# Altium PCB Copy of BGA_ACUity.PcbDoc (part 3 of 5) (continued)
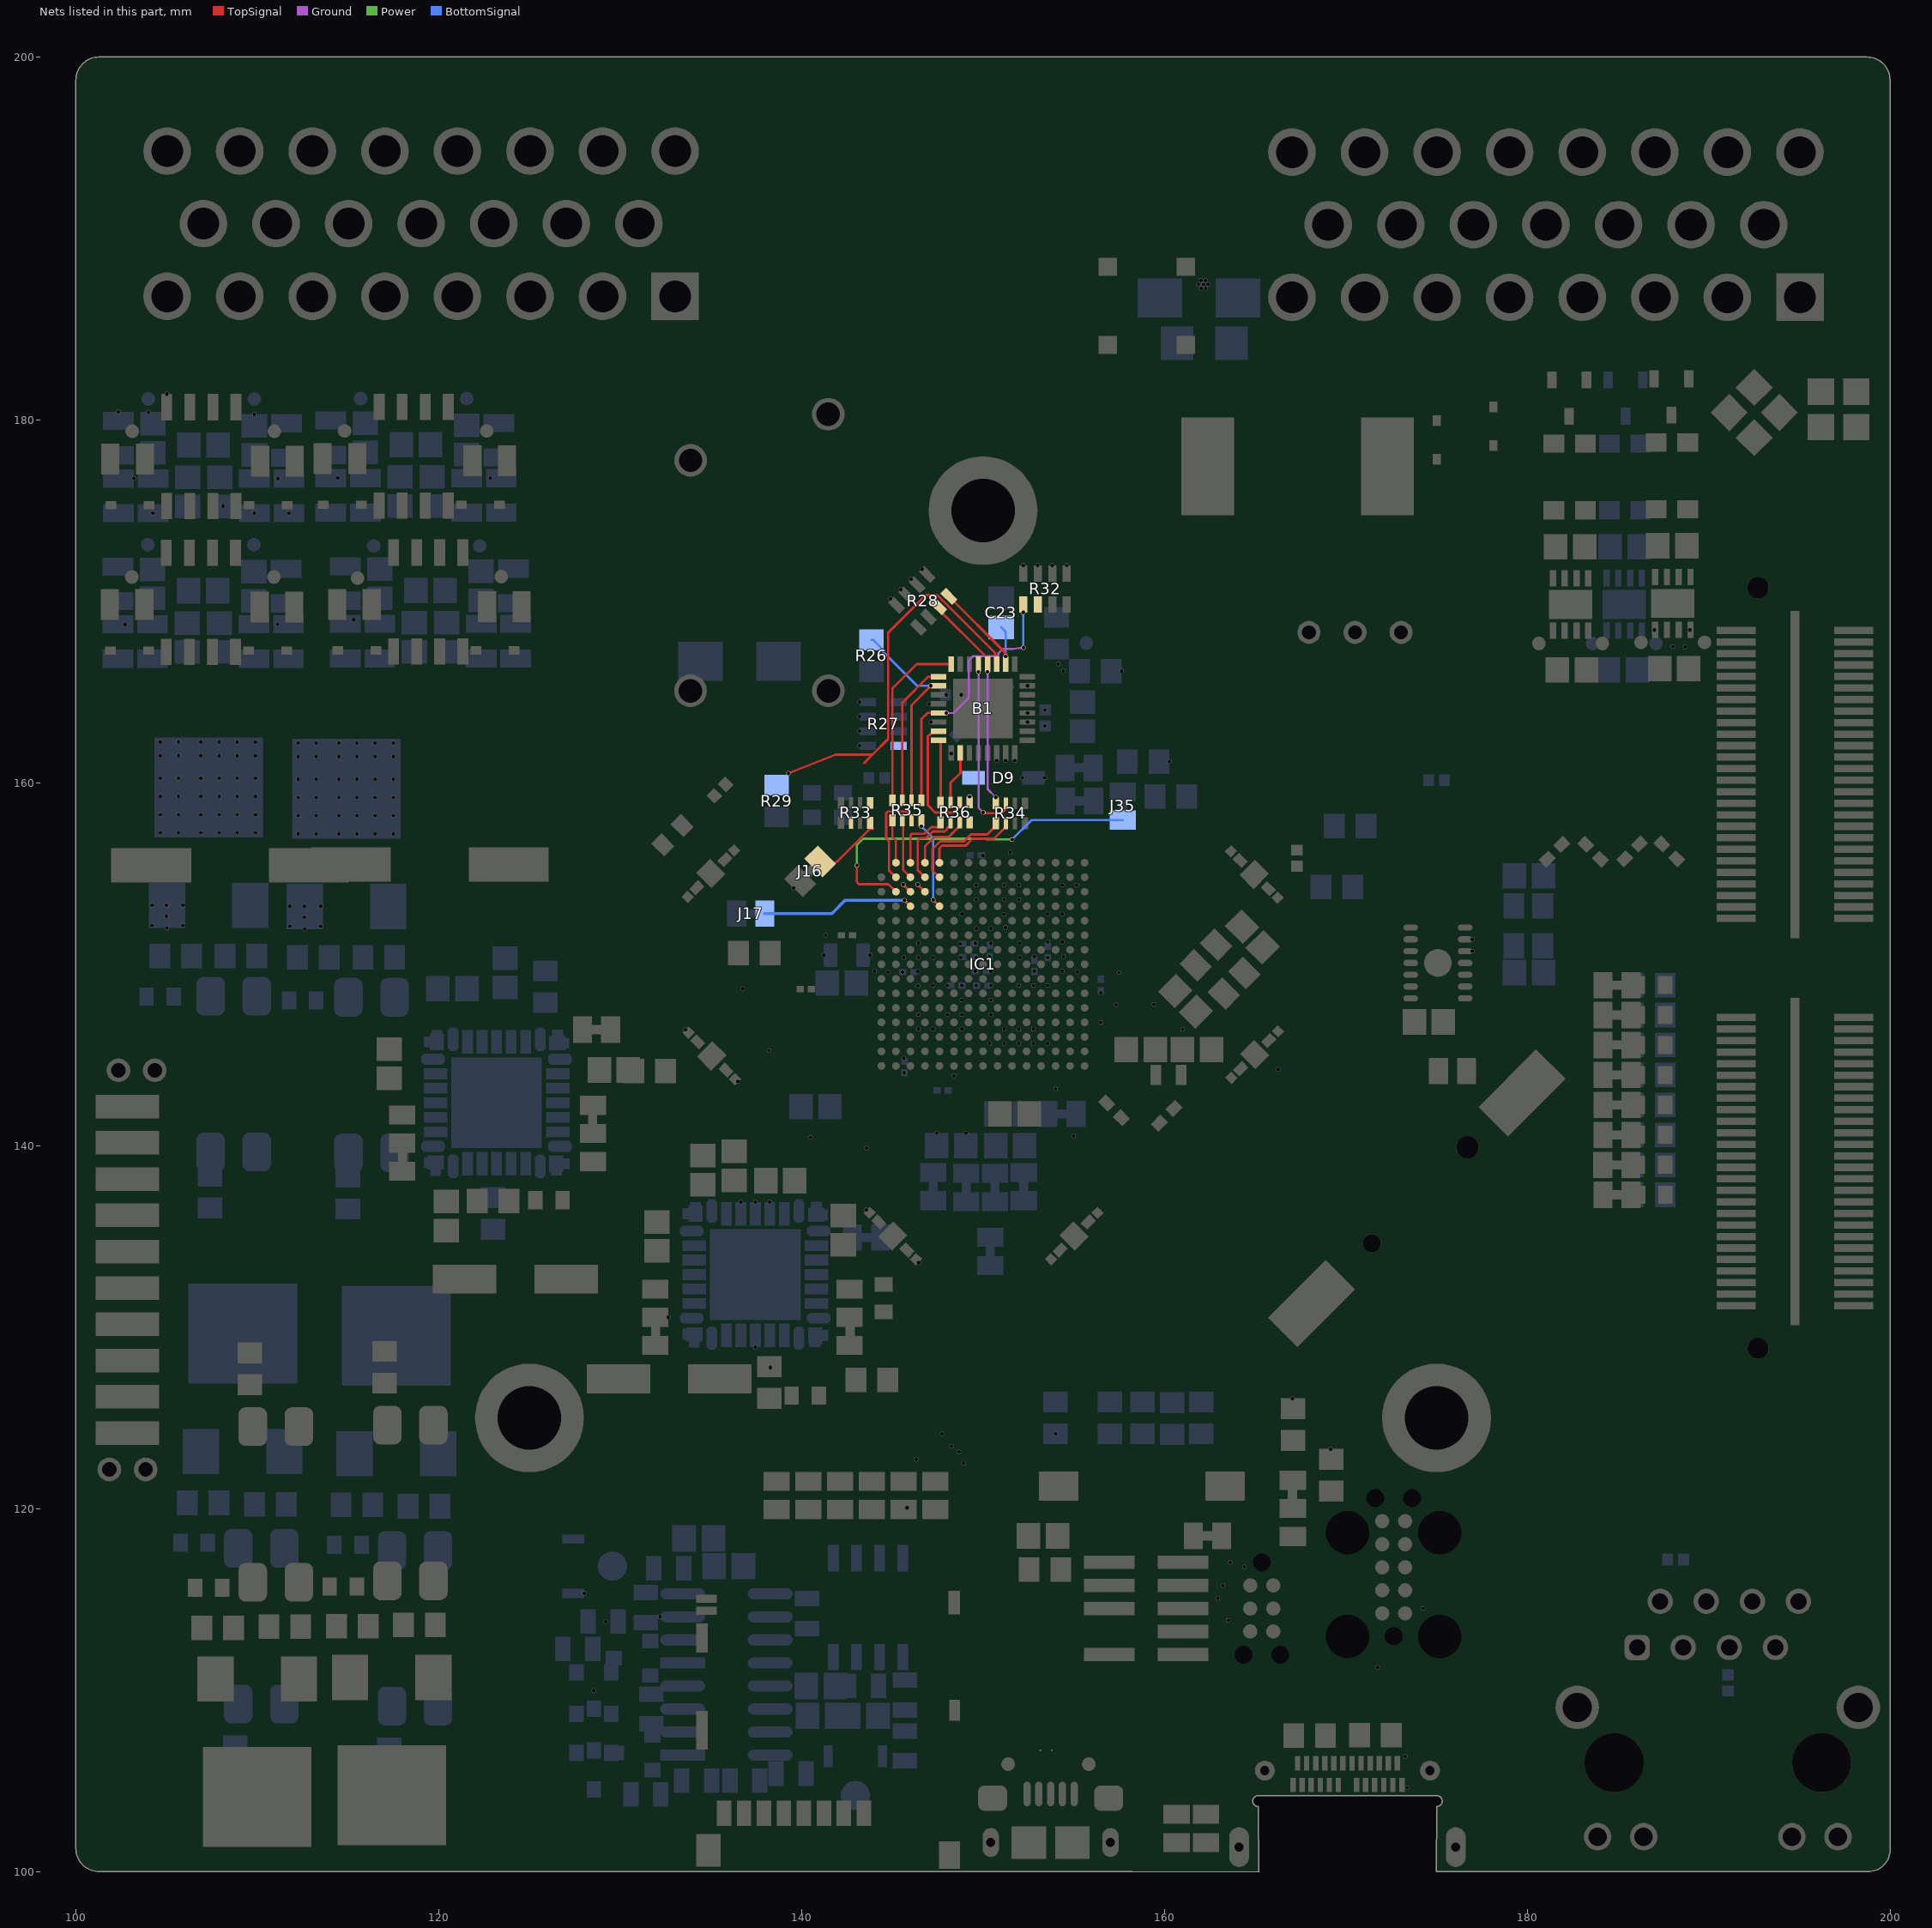
[diagram p5: the nets of this part, all layers, seen from the top]
## Part data (continued)
C40 C43 C44 C45 C46 C47: library part GMC02X5R224K16NT, "CAP0201 X5R .22UF 10% 16V", Device Package="0201 (0603 Metric)", Manufacturer="Cal-Chip Electronics, Inc.", Operating Temperature="-55°C ~ 85°C", Supplier Part Number 1=4713-GMC02X5R224K16NTCT-ND, Temperature Coefficient=X5R, Tolerance=±10%, Voltage - Rated=16V, Applications="General Purpose", Capacitance="0.22 µF", ComponentLink1Description=Datasheet, ComponentLink1URL=https://calchip.com/wp-content/uploads/2024/02/gmc_series-1.pdf, ComponentLink2Description="DigiKey Link", ComponentLink2URL=https://www.digikey.com/en/products/detail/cal-chip-electronics-inc/GMC02X5R224K16NT/22562848, LastUpdated="04/06/2024 19:00:50", Lifecycle Status=Active, Minimum Order=1, Mounting Type="Surface Mount, MLCC", Package / Case="0201 (0603 Metric)", Packaging=TapeAndReel, Part Number=GMC02X5R224K16NT, PartId=57532, Price=0.01, Series=GMC, Size / Dimension="0.024\" L x 0.012\" W (0.60mm x 0.30mm)", Supplier 1=DigiKey, Thickness (Max)="0.013\" (0.33mm)"
C41: library part CMP-001-00081-4, "Chip Capacitor, 22µF +/-40%, 16V, 0805, Thickness 1.45 mm", Case/Package=0805, Max Operating Temperature=85°C, Min Operating Temperature=-55°C, Tolerance=5%, Voltage Rating=16V, Mounting Technology=SMT, Pins=2
C42: library part CMP-001-00082-4, "Chip Capacitor, 47µF +/-40%, 6.3V, 0805, Thickness 1.45 mm", Case/Package=0805, Max Operating Temperature=85°C, Min Operating Temperature=-55°C, Tolerance=10%, Voltage Rating=6.3V, Mounting Technology=SMT, Pins=2
C48: library part 865060440001, "WCAP-ASLL Aluminum Electrolytic Capacitor, V-Chip, D4 x H5.5mm, 10µF, 25V", Capacitance Tolerance=+/-20%, Leakage Current=3uA, Manufacturer="Wurth Elektronik", Operating Temperature Max=105°C, Operating Temperature Min=-55°C, Rated Voltage (DC)=25V, Ripple Current=90mA, Capacitance=10uF, Category="Aluminum Electrolytic Capacitors", ComponentLink1Description="Website Link", ComponentLink1URL=https://www.we-online.com/redexpert/article/865060440001?ad, ComponentLink2Description="Datasheet Link", ComponentLink2URL=https://www.we-online.com/redexpert/spec/865060440001?ad, Diameter=4mm, Dissipation Factor=14%, Endurance=2000h, Height=5.5mm, Manufacturer Part Number=865060440001, Match Code=WCAP-ASLL, Mount="Surface Mount", Packaging="Tape and Reel", Technical Reference=ASEB055100M025DVCTAB000
C49 C50 C51 C52 C53 C54 C55 C56 C58: library part EMK063BJ104KP-F, "CAP CER 0.1UF 16V X5R 0201", Device Package="0201 (0603 Metric)", Manufacturer="Taiyo Yuden", Operating Temperature="-55°C ~ 85°C", Supplier Part Number 1=587-5833-1-ND, Temperature Coefficient=X5R, Tolerance=±10%, Voltage - Rated=16V, Applications="SMPS Filtering", Capacitance="0.1 µF", ComponentLink1Description=Datasheet, ComponentLink1URL="https://ds.yuden.co.jp/TYCOMPAS/ut/detail?pn=EMK063BJ104KP-F  &u=M", ComponentLink2Description="DigiKey Link", ComponentLink2URL=https://www.digikey.com/en/products/detail/taiyo-yuden/EMK063BJ104KP-F/4970625, LastUpdated="04/06/2024 19:01:11", Lifecycle Status=Active, Minimum Order=1, Mounting Type="Surface Mount, MLCC", Package / Case="0201 (0603 Metric)", Packaging=TapeAndReel, Part Number=EMK063BJ104KP-F, Part Status=Active, PartId=12, Price=0.01, Series=M, Size / Dimension="0.024\" L x 0.012\" W (0.60mm x 0.30mm)", Supplier 1=DigiKey, Thickness (Max)="0.013\" (0.33mm)"
C60 C61 C62: library part 02016C104KAT2A, "0201 6.3V X7R 100NF 10%", Device Package="0201 (0603 Metric)", Manufacturer="KYOCERA AVX", Operating Temperature="-55°C ~ 125°C", Supplier Part Number 1=478-02016C104KAT2ACT-ND, Temperature Coefficient=X7R, Tolerance=±10%, Voltage - Rated=6.3V, Applications="General Purpose", Capacitance="0.1 µF", ComponentLink1Description=Datasheet, ComponentLink1URL=https://datasheets.kyocera-avx.com/X7RDielectric.pdf, ComponentLink2Description="DigiKey Link", ComponentLink2URL=https://www.digikey.com/en/products/detail/kyocera-avx/02016C104KAT2A/17868582, LastUpdated="04/06/2024 19:00:59", Lifecycle Status=Active, Minimum Order=1, Mounting Type="Surface Mount, MLCC", Package / Case="0201 (0603 Metric)", Packaging=TapeAndReel, Part Number=02016C104KAT2A, Part Status=Active, PartId=47559, Price=0.06, Series=-, Size / Dimension="0.024\" L x 0.012\" W (0.60mm x 0.30mm)", Supplier 1=DigiKey, Thickness (Max)="0.013\" (0.33mm)"
C67 C69 C75 C76 C77: library part CMP-2007-04119-2, "General Purpose Ceramic Capacitor, 0805, 100pF, 1%, C0G, 30ppm/°C, 100V", Capacitance=100pF, Case Code (Imperial)=0805, Case Code (Metric)=2012, Dielectric=C0G, Dielectric Material=Ceramic, Max Operating Temperature=125°C, Min Operating Temperature=-55°C, Package Quantity=1, Tolerance=1%, Voltage=100V, Case/Package=0805, Construction=Flat, Depth=1.25mm, Height=0.71mm, Lead Free="Lead Free", Length=2.01mm, Mount="Surface Mount", Number of Pins=2, Packaging="Tape and Reel", Radiation Hardening=No, REACH SVHC="No SVHC", RoHS Compliant=Yes, Series=-, Termination=SMD/SMT, Thickness=0.037inch, Voltage Rating=100V, Voltage Rating (DC)=100V, Width=1.25mm
C74 C89: library part 865060645008, "WCAP-ASLL Aluminum Electrolytic Capacitor, V-Chip, D6.3 x H7.7mm, 47µF, 50V", Capacitance Tolerance=+/-20%, Leakage Current=23.5uA, Manufacturer="Wurth Elektronik", Operating Temperature Max=105°C, Operating Temperature Min=-55°C, Rated Voltage (DC)=50V, Ripple Current=185mA, Capacitance=47uF, Category="Aluminum Electrolytic Capacitors", ComponentLink1Description="Website Link", ComponentLink1URL=https://www.we-online.com/redexpert/article/865060645008?ad, ComponentLink2Description="Datasheet Link", ComponentLink2URL=https://www.we-online.com/redexpert/spec/865060645008?ad, Diameter=6.3mm, Dissipation Factor=12%, Endurance=2000h, Height=7.7mm, Manufacturer Part Number=865060645008, Match Code=WCAP-ASLL, Mount="Surface Mount", Packaging="Tape and Reel", Technical Reference=ASED077470M050DVCTCB000
C87 C90: library part 865060657012, "WCAP-ASLL Aluminum Electrolytic Capacitor, V-Chip, D10 x H10.5mm, 220µF, 50V", Capacitance Tolerance=+/-20%, Leakage Current=110uA, Manufacturer="Wurth Elektronik", Operating Temperature Max=105°C, Operating Temperature Min=-55°C, Rated Voltage (DC)=50V, Ripple Current=600mA, Capacitance=220uF, Category="Aluminum Electrolytic Capacitors", ComponentLink1Description="Website Link", ComponentLink1URL=https://www.we-online.com/redexpert/article/865060657012?ad, ComponentLink2Description="Datasheet Link", ComponentLink2URL=https://www.we-online.com/redexpert/spec/865060657012?ad, Diameter=10mm, Dissipation Factor=12%, Endurance=5000h, Height=10.5mm, Manufacturer Part Number=865060657012, Match Code=WCAP-ASLL, Mount="Surface Mount", Packaging="Tape and Reel", Technical Reference=ASEF105221M050DVCTEE000
D1 D2 D3 D4 D5 D6 D7 D8 D14 D17 D24 U_Mosfets0_D16 U_Mosfets1_D16 U_Mosfets2_D16 U_Mosfets3_D16 U_Mosfets4_D16 U_Mosfets5_D16: library part LED_0603_RED, "Yellow Plox"
D9: "Diodes - General Purpose, Power, Switching 100 Volt 150mA 4ns 500mA IFSM", Manufacturer_Name=Vishay, Mouser Part Number=78-1N4148W-G3-08, Arrow Part Number=1N4148W-G3-08, Arrow Price/Stock=https://www.arrow.com/en/products/1n4148w-g3-08/vishay, Datasheet Link=https://componentsearchengine.com/Datasheets/1/1N4148W-G3-08.pdf, Geometry.Height=1.35mm, Manufacturer_Part_Number=1N4148W-G3-08, Mouser Price/Stock=https://www.mouser.co.uk/ProductDetail/Vishay-Semiconductors/1N4148W-G3-08?qs=uS%252BVSIFnvp46StDBB15x4Q%3D%3D
D10 D15: "DIODE ZENER 36V 3W DO214AA", Current - Reverse Leakage @ Vr="1 µA @ 27.4 V", Manufacturer="Micro Commercial Co", Operating Temperature="-55°C ~ 150°C", Package / Case="DO-214AA, SMB", Power - Max="3 W", Supplier Device Package="DO-214AA (SMB)", Supplier Part Number 1=3SMBJ5938BTPMSCT-ND, Tolerance=±5%, Voltage - Forward (Vf) (Max) @ If="1.5 V @ 200 mA", Voltage - Zener (Nom) (Vz)="36 V", ComponentLink1Description=Datasheet, ComponentLink1URL=https://www.mccsemi.com/pdf/Products/3SMBJ5913B~3SMBJ5943B(DO-214AA).pdf, ComponentLink2Description="DigiKey Link", ComponentLink2URL=https://www.digikey.com/en/products/detail/micro-commercial-co/3SMBJ5938B-TP/1114251, Impedance (Max) (Zzt)="38 Ohms", LastUpdated="06/02/2024 21:26:34", Lifecycle Status=Active, Minimum Order=1, Mounting Type="Surface Mount", Packaging=TapeAndReel, Part Number=3SMBJ5938B-TP, Part Status=Active, PartId=926, Price=0.07, Series=-, Supplier 1=DigiKey
D11 D13: library part LED_0603_RED, "LED 0603 RED SMD"
D12 D18 D19 U_ADC-Filter0_D22 U_ADC-Filter0_D23 U_ADC-Filter1_D22 U_ADC-Filter1_D23 U_ADC-Filter2_D22 U_ADC-Filter2_D23 U_ADC-Filter3_D22 U_ADC-Filter3_D23: library part CMP-004-00002-2, "Fast Switching Diode, 75 V, 0.3 A, -65 to 150 degC, 2-Pin SOD323, RoHS, Tape and Reel", Case/Package=SOD, Forward Current=300mA, Forward Voltage=1.25V, Manufacturer="Diodes Inc", Max Operating Temperature=150°C, Max Surge Current=2A, Min Operating Temperature=-65°C, Package Description="2-Pin Small Outline Diode, Body 1.7 x 1.3 mm", Package Quantity=3000, Package Reference=SOD323-2, Peak Reverse Current=1uA, Datasheet URL=http://www.diodes.com/datasheets/ds30097.pdf, Datasheet Version="Rev. 25-2, 03/2016", Elements=1, Manufacturer URL=http://www.diodes.com/, Mounting Technology=SM, Packaging=TapeandReel, Pins=2, Recovery Time=4ns, RoHS Compliant=True
F1: library part FUSE_PPTC_1206, "Fuse PPTC SMD 1206"
IC1: "Integrated Circuit", Manufacturer_Name="Renesas Electronics", Mouser Part Number=968-R7FA8M1AHECBDUC0, Datasheet Link=https://www.renesas.com/us/en/document/dst/ra8m1-group-datasheet?r=25447396, Height=1.47mm, Manufacturer_Part_Number=R7FA8M1AHECBD#UC0, Mouser Price/Stock=https://www.mouser.co.uk/ProductDetail/Renesas-Electronics/R7FA8M1AHECBDUC0?qs=HoCaDK9Nz5en4LBg9VyLXw%3D%3D
IC5 IC7 IC8 IC9: "Integrated Circuit", Manufacturer_Name=STMicroelectronics, Mouser Part Number=511-TSC1641IQT, Datasheet Link=https://www.st.com/en/amplifiers-and-comparators/tsc1641.html, Height=1mm, Manufacturer_Part_Number=TSC1641IQT, Mouser Price/Stock=https://www.mouser.co.uk/ProductDetail/STMicroelectronics/TSC1641IQT?qs=Imq1NPwxi75Nq2tJpvqCJw%3D%3D
IC6: "Integrated Circuit", Manufacturer_Name=Microchip, Mouser Part Number=998-MIC5239-3.3YSTR, Arrow Part Number=MIC5239-3.3YS-TR, Arrow Price/Stock=https://www.arrow.com/en/products/mic5239-3.3ys-tr/microchip-technology?region=nac, Datasheet Link=https://ww1.microchip.com/downloads/en/DeviceDoc/mic5239.pdf, Height=1.8mm, Manufacturer_Part_Number=MIC5239-3.3YS-TR, Mouser Price/Stock=https://www.mouser.co.uk/ProductDetail/Microchip-Technology-Micrel/MIC5239-33YS-TR?qs=U6T8BxXiZAXN0UitWWB92A%3D%3D
IC10 U_ADC-Filter0_IC11 U_ADC-Filter1_IC11 U_ADC-Filter2_IC11 U_ADC-Filter3_IC11: "Integrated Circuit", Manufacturer_Name=Microchip, Manufacturer_Part_Number=MCP6052-E/SN, Mouser Part Number=579-MCP6052-E/SN, Datasheet Link=http://ww1.microchip.com/downloads/en/DeviceDoc/MCP6051_DS22182B.pdf, Height=1.75mm, Mouser Price/Stock=https://www.mouser.com/Search/Refine.aspx?Keyword=579-MCP6052-E%2FSN
J1: "USB-C (USB TYPE-C) USB 3.2 Gen 2 (USB 3.1 Gen 2, Superspeed + (USB 3.1)) Receptacle Connector 24 Position Board Cutout, Surface Mount, Right Angle; Through Hole", Package=None, Availability="In Stock", Check_prices=https://www.snapeda.com/parts/1-2295018-2/TE+Connectivity/view-part/?ref=eda, MF="TE Connectivity AMP Connectors", MP=1-2295018-2, Price=None, Purchase-URL=https://pricing.snapeda.com/search/part/1-2295018-2/?ref=eda, SnapEDA_Link=https://www.snapeda.com/parts/1-2295018-2/TE+Connectivity/view-part/?ref=snap
J2 J51 J52 J59 J60 J63 J64 J66 J67 J68 J72 J75 J77: library part "Solder Bridge 805 Switch"
J3: "CONN RCPT USB2.0 MICRO B SMD R/A", Current Rating (Amps)="1.8A per Contact", Manufacturer="Amphenol ICC (FCI)", Operating Temperature="-30°C ~ 80°C", Supplier Part Number 1=609-4616-2-ND, Voltage - Rated=100VAC, ComponentLink1Description=Datasheet, ComponentLink1URL=https://cdn.amphenol-icc.com/media/wysiwyg/files/documentation/datasheet/inputoutput/io_usb_micro.pdf, ComponentLink2Description="DigiKey Link", ComponentLink2URL=//digikey.com/product-detail/en/amphenol-icc-fci/10118193-0001LF/609-4616-2-ND/2785388, Connector Type="USB - micro B", Features="Solder Retention", Gender=Receptacle, LastUpdated="09/12/2019 20:51:28", Lifecycle Status=0, Mating Cycles=10000, Minimum Order=1, Mounting Feature=Horizontal, Mounting Type="Surface Mount, Right Angle; Through Hole", Number of Contacts=5, Number of Ports=1, Packaging=TapeAndReel, Part Number=10118193-0001LF, Part Status=Active, Price=0.21, Series=-, Shielding=Shielded, Specifications="USB 2.0", Supplier 1=DigiKey, Termination=Solder
J5: library part PlugOfNeedles10, "A short footprint for jtag"
J6: "Connector Header Surface Mount 10 position 0.050 (1.27mm)", Package=None, Check_prices=https://www.snapeda.com/parts/FTSH-105-01-L-DV-007-K/Samtec%20Inc./view-part/448626/?ref=eda, Digi-Key_Part_Number=SAM13932TR-ND, MF=Samtec, MP=FTSH-105-01-L-DV-007-K, Purchase-URL=https://pricing.snapeda.com/search/part/FTSH-105-01-L-DV-007-K/?ref=eda, SnapEDA_Link=https://www.snapeda.com/parts/FTSH-105-01-L-DV-007-K/Samtec%20Inc./view-part/448626/?ref=snap
J7 J8 J9 J10 J11 J12 J13 J14 J15 J16 J17 J27 J32 J33 J34 J35 J42 J43 J44 J45 J46 J47 J48 J50 J61 J62 J65 J73 J74 J76: library part "Solder Bridge 805"
J18: "CONN HDR 23POS R/A W/GASKET AU"
J19: "Connector", Manufacturer_Name="TE Connectivity", Mouser Part Number=571-2201778-1, Arrow Part Number=2201778-1, Arrow Price/Stock=https://www.arrow.com/en/products/2201778-1/te-connectivity?region=nac, Datasheet Link=https://www.te.com/commerce/DocumentDelivery/DDEController?Action=showdoc&DocId=Customer+Drawing%7F2201778%7FB%7Fpdf%7FJapanese%7FJPN_CD_2201778_B.pdf%7F2201778-1, Height=1.95mm, Manufacturer_Part_Number=2201778-1, Mouser Price/Stock=https://www.mouser.co.uk/ProductDetail/TE-Connectivity/2201778-1?qs=%2F6W%2F9%2FHWvcBMWWw9w8oBng%3D%3D
J20 J21 J22 J23 J24 J25 J26: library part CMP-002-00075-1, "Assembly Item"
J28 J31: library part "Poka-Yoke 2x2"
J29: library part 1-776087-5, "CONN HDR 23POS R/A W/GASKET AU"
J30: "CONN RCPT 104POS SMD GOLD", Package=None, Availability=Unavailable, MP=QFS-052-04.25-XX-D-A-GP, Price=None
J36 J37 J38 J39 J40: "EMI Gaskets, Sheets, Absorbers & Shielding EMC Spring Contact 1.23mm high", Manufacturer_Name=Harwin, Mouser Part Number=855-S7221-45R, Datasheet Link=https://cdn.harwin.com/pdfs/S7221-45R.pdf, Geometry.Height=1.23mm, Manufacturer_Part_Number=S7221-45R, Mouser Price/Stock=https://www.mouser.co.uk/ProductDetail/Harwin/S7221-45R?qs=pffCcXpkxLxI%252B2oy4ryQHw%3D%3D
J41 J49 J53 J54 J55 J56 J57 J58 J69 J70: library part "Solder Bridge 805 Open"
J78: "UMPS Series 2.00 mm mPOWERÂ® Ultra Micro Power Socket", Package=None, Check_prices=https://www.snapeda.com/parts/UMPS-10-05.5-G-V-S-W-TR/Samtec/view-part/?ref=eda, MF=Samtec, MP=UMPS-10-05.5-G-V-S-W-TR, SnapEDA_Link=https://www.snapeda.com/parts/UMPS-10-05.5-G-V-S-W-TR/Samtec/view-part/?ref=snap
K1: "No Description Available", Mfr_Name="TE Connectivity", RefDes=RefDes, Type=Type
L1: library part 74477005, "WE-PD SMT Power Inductor, size 1280, 5.6uH, 8.7A, 13.5mOhm", Case/Size Code=1280, DC Resistance=10.5mOhm, DC Resistance Max=13.5mOhm, Inductance=5.6uH, Manufacturer="Wurth Elektronik", Operating Temperature Max=125°C, Operating Temperature Min=-40°C, Rated Current=8.7A, Saturation Current=10A, Self Resonant Frequency=24MHz, Category="Power Inductors", ComponentLink1Description="Website Link", ComponentLink1URL=https://www.we-online.com/redexpert/article/74477005?ad, ComponentLink2Description="Datasheet Link", ComponentLink2URL=https://www.we-online.com/redexpert/spec/74477005?ad, Height=8mm, Length=12mm, Manufacturer Part Number=74477005, Match Code=WE-PD, Mount="Surface Mount", Packaging="Tape and Reel", Type=Standard, Width=12mm
Q7 Q11 Q13: library part CMP-1048-00662-1, "High Voltage Transistor, NPN Silicon, 3-Pin SOT-23, Pb-Free, Tape and Reel", Manufacturer="On Semiconductor", ComponentLink1Description="Manufacturer URL", ComponentLink1URL=http://www.onsemi.com/, ComponentLink2Description=Datasheet, ComponentLink2URL=http://www.onsemi.cn/pub_link/Collateral/MMBTA42LT1-D.PDF, ComponentLink3Description="Package Specification", ComponentLink3URL=http://www.onsemi.cn/pub_link/Collateral/318-08.PDF, DatasheetVersion="Rev. 12", fT Min (MHz)=50, IC Continuous (A)=0.5, Mounting Technology="Surface Mount", PackageDescription="3-Pin Small Outline Transistor, Body 2.92 x 1.3 mm, Pitch 0.95 mm", PackageReference=SOT-23-3-318-08, PackageVersion="Rev. AP, 11/2009", Packing="Tape and Reel", PartNumber=MMBTA42LT1G, Polarity=NPN, RoHS=TRUE
Q8 Q12: library part CMP-1048-00539-1, "Switching Transistor, PNP Silicon, 3-Pin SOT-23, Pb-Free, Tape and Reel", Manufacturer="On Semiconductor", ComponentLink1Description="Manufacturer URL", ComponentLink1URL=http://www.onsemi.com/, ComponentLink2Description=Datasheet, ComponentLink2URL=http://www.onsemi.cn/pub_link/Collateral/MMBT4403LT1-D.PDF, ComponentLink3Description="Package Specification", ComponentLink3URL=http://www.onsemi.cn/pub_link/Collateral/318-08.PDF, DatasheetVersion="Rev. 12", fT Min (MHz)=200, IC Continuous (A)=-0.6, Mounting Technology="Surface Mount", PackageDescription="3-Pin Small Outline Transistor, Body 2.92 x 1.3 mm, Pitch 0.95 mm", PackageReference=SOT-23-3-318-08, PackageVersion="Rev. AP, 11/2009", Packing="Tape and Reel", PartNumber=MMBT4403LT1G, Polarity=PNP, RoHS=TRUE
Q9 Q10: library part CMP-06369-000016-1, "MOSFET N-CH 100V 730MA TO243AA", Case/Package=TO-243AA, Continuous Drain Current (ID)=730mA, Drain to Source Breakdown Voltage=100V, Drain to Source Resistance=1.5R, Gate to Source Voltage (Vgs)=20V, Input Capacitance=125pF, Max Operating Temperature=150°C, Max Power Dissipation=1.6W, Min Operating Temperature=-55°C, Package Quantity=2000, Contact Plating=Tin, Element Configuration=Single, Fall Time=10ns, Height=1.6mm, Lead Free="Lead Free", Length=4.6mm, Mount="Surface Mount", Number of Channels=1, Number of Elements=1, Number of Pins=4, Packaging="Tape and Reel", Polarity=N-CHANNEL, Power Dissipation=1.6W, Radiation Hardening=No, Rds On Max=1.5R, Rise Time=10ns, Series=-, Turn-Off Delay Time=20ns, Turn-On Delay Time=10ns, Weight=0.001862oz, Width=2.6mm
R1: library part RNCS0805BKE10K0, "RES 10K OHM 0.1% 1/10W 0805", Device Package="0805 (2012 Metric)", Manufacturer="Stackpole Electronics Inc", Operating Temperature="-55°C ~ 155°C", Power (Watts)="0.1W, 1/10W", Ratings=AEC-Q200, Resistance="10 kOhms", Supplier Device Package=0805, Supplier Part Number 1=RNCS0805BKE10K0CT-ND, Temperature Coefficient=±25ppm/°C, Tolerance=±0.1%, ComponentLink1Description=Datasheet, ComponentLink1URL=https://www.seielect.com/catalog/sei-rncs_rnch.pdf, ComponentLink2Description="DigiKey Link", ComponentLink2URL=https://www.digikey.com/en/products/detail/stackpole-electronics-inc/RNCS0805BKE10K0/1800067, Composition="Thin Film", Features="Anti-Corrosive, Automotive AEC-Q200, Moisture Resistant", Height - Seated (Max)="0.026\" (0.65mm)", LastUpdated="08/02/2024 21:02:39", Lifecycle Status=Active, Minimum Order=1, Number of Terminations=2, Package / Case="0805 (2012 Metric)", Packaging=TapeAndReel, Part Number=RNCS0805BKE10K0, Part Status=Active, PartId=27713, Price=0.07, Series=RNCS, Size / Dimension="0.079\" L x 0.049\" W (2.00mm x 1.25mm)", Supplier 1=DigiKey
R2 R4: library part ERA-6AED512V, "RES SMD 5.1K OHM 0.5% 1/8W 0805", Device Package="0805 (2012 Metric)", Manufacturer="Panasonic Electronic Components", Operating Temperature="-55°C ~ 155°C", Power (Watts)="0.125W, 1/8W", Ratings=AEC-Q200, Supplier Device Package=0805, Supplier Part Number 1=P123856CT-ND, Temperature Coefficient=±25ppm/°C, Tolerance=±0.5%, ComponentLink1Description=Datasheet, ComponentLink1URL=https://industrial.panasonic.com/cdbs/www-data/pdf/RDM0000/AOA0000C307.pdf, ComponentLink2Description="DigiKey Link", ComponentLink2URL=https://www.digikey.com/en/products/detail/panasonic-electronic-components/ERA-6AED512V/9373625, Composition="Thin Film", Features="Automotive AEC-Q200", Height - Seated (Max)="0.024\" (0.60mm)", LastUpdated="02/02/2024 21:00:47", Lifecycle Status=Active, Minimum Order=1, Number of Terminations=2, Package / Case="0805 (2012 Metric)", Packaging=TapeAndReel, Part Number=ERA-6AED512V, Part Status=Active, PartId=27812, Price=0.04, Resistance="5.1 kOhms", Series=ERA-6A, Size / Dimension="0.079\" L x 0.049\" W (2.00mm x 1.25mm)", Supplier 1=DigiKey
R3: library part RNCF0805DTE1K50, "RES 1.5K OHM 0.5% 1/8W 0805", Device Package="0805 (2012 Metric)", Manufacturer="Stackpole Electronics Inc", Operating Temperature="-55°C ~ 155°C", Power (Watts)="0.125W, 1/8W", Ratings=AEC-Q200, Resistance="1.5 kOhms", Supplier Device Package=0805, Supplier Part Number 1=RNCF0805DTE1K50CT-ND, Temperature Coefficient=±25ppm/°C, Tolerance=±0.5%, ComponentLink1Description=Datasheet, ComponentLink1URL=https://www.seielect.com/catalog/sei-rncf.pdf, ComponentLink2Description="DigiKey Link", ComponentLink2URL=https://www.digikey.com/en/products/detail/stackpole-electronics-inc/RNCF0805DTE1K50/1708177, Composition="Thin Film", Features="Automotive AEC-Q200", Height - Seated (Max)="0.026\" (0.65mm)", LastUpdated="08/02/2024 21:02:37", Lifecycle Status=Active, Minimum Order=1, Number of Terminations=2, Package / Case="0805 (2012 Metric)", Packaging=TapeAndReel, Part Number=RNCF0805DTE1K50, Part Status=Active, PartId=28003, Price=0.01, Series=RNCF, Size / Dimension="0.079\" L x 0.049\" W (2.00mm x 1.25mm)", Supplier 1=DigiKey
R5 R39 R42 R43 R69 R89 R90: library part RCS08054K70JNEA, "RES SMD 4.7K OHM 5% 1/2W 0805", Device Package="0805 (2012 Metric)", Manufacturer="Vishay Dale", Operating Temperature="-55°C ~ 155°C", Power (Watts)="0.5W, 1/2W", Ratings=AEC-Q200, Resistance="4.7 kOhms", Supplier Device Package=0805, Supplier Part Number 1=541-2866-1-ND, Temperature Coefficient=±200ppm/°C, Tolerance=±5%, ComponentLink1Description=Datasheet, ComponentLink1URL=http://www.vishay.com/docs/20065/rcse3.pdf, ComponentLink2Description="DigiKey Link", ComponentLink2URL=https://www.digikey.com/en/products/detail/vishay-dale/RCS08054K70JNEA/5867012, Composition="Thick Film", Features="Automotive AEC-Q200, Pulse Withstanding", Height - Seated (Max)="0.020\" (0.50mm)", LastUpdated="08/02/2024 21:02:38", Lifecycle Status=Active, Minimum Order=1, Number of Terminations=2, Package / Case="0805 (2012 Metric)", Packaging=TapeAndReel, Part Number=RCS08054K70JNEA, Part Status=Active, PartId=27839, Price=0.02, Series="RCS e3", Size / Dimension="0.079\" L x 0.049\" W (2.00mm x 1.25mm)", Supplier 1=DigiKey
R6: library part 3430A2F30KTDF, "3430 A2 1% 30K 100PPM 1K RL", Device Package="0805 (2012 Metric)", Manufacturer="TE Connectivity Passive Product", Operating Temperature="-55°C ~ 155°C", Power (Watts)=1W, Ratings=AEC-Q200, Resistance="30 kOhms", Supplier Device Package=0508, Supplier Part Number 1=1712-3430A2F30KTDFCT-ND, Temperature Coefficient=±100ppm/°C, Tolerance=±1%, ComponentLink2Description="DigiKey Link", ComponentLink2URL=https://www.digikey.com/en/products/detail/te-connectivity-passive-product/3430A2F30KTDF/17763964, Composition="Thick Film", Features="Automotive AEC-Q200", Height - Seated (Max)="0.026\" (0.65mm)", LastUpdated="04/02/2024 21:02:40", Lifecycle Status=Active, Minimum Order=1, Number of Terminations=2, Package / Case="0805 (2012 Metric)", Packaging=TapeAndReel, Part Number=3430A2F30KTDF, Part Status=Active, PartId=76016, Price=0.02, Series=3430, Size / Dimension="0.049\" L x 0.079\" W (1.25mm x 2.00mm)", Supplier 1=DigiKey
R7 R8 R9 R10 R11 R12 R13 R14 R15 R16 R17 R18 R47: library part 4-2176091-1, "RES SMD 150 OHM 0.1% 1/4W 0805", Device Package="0805 (2012 Metric)", Manufacturer="TE Connectivity Passive Product", Operating Temperature="-55°C ~ 155°C", Power (Watts)="0.25W, 1/4W", Resistance="150 Ohms", Supplier Device Package=0805, Supplier Part Number 1=A110464CT-ND, Temperature Coefficient=±25ppm/°C, Tolerance=±0.1%, ComponentLink1Description=Datasheet, ComponentLink1URL=https://www.te.com/commerce/DocumentDelivery/DDEController?Action=srchrtrv&DocNm=1773272&DocType=DS&DocLang=English, ComponentLink2Description="DigiKey Link", ComponentLink2URL=https://www.digikey.com/en/products/detail/te-connectivity-passive-product/4-2176091-1/4033932, Composition="Thin Film", Height - Seated (Max)="0.026\" (0.65mm)", LastUpdated="04/02/2024 21:05:09", Lifecycle Status=Active, Minimum Order=1, Number of Terminations=2, Package / Case="0805 (2012 Metric)", Packaging=TapeAndReel, Part Number=4-2176091-1, Part Status=Active, PartId=28504, Price=0.14, Series="RP73P, Holsworthy", Size / Dimension="0.079\" L x 0.049\" W (2.00mm x 1.25mm)", Supplier 1=DigiKey
R19 R38: library part RNCS0805BKE10K0, "RES 10K OHM 0.1% 1/10W 0805", Device Package="0805 (2012 Metric)", Manufacturer="Stackpole Electronics Inc", Operating Temperature="-55°C ~ 155°C", Power (Watts)="0.1W, 1/10W", Ratings=AEC-Q200, Supplier Device Package=0805, Supplier Part Number 1=RNCS0805BKE10K0CT-ND, Temperature Coefficient=±25ppm/°C, Tolerance=±0.1%, ComponentLink1Description=Datasheet, ComponentLink1URL=https://www.seielect.com/catalog/sei-rncs_rnch.pdf, ComponentLink2Description="DigiKey Link", ComponentLink2URL=https://www.digikey.com/en/products/detail/stackpole-electronics-inc/RNCS0805BKE10K0/1800067, Composition="Thin Film", Features="Anti-Corrosive, Automotive AEC-Q200, Moisture Resistant", Height - Seated (Max)="0.026\" (0.65mm)", LastUpdated="02/02/2024 21:00:48", Lifecycle Status=Active, Minimum Order=1, Number of Terminations=2, Package / Case="0805 (2012 Metric)", Packaging=TapeAndReel, Part Number=RNCS0805BKE10K0, Part Status=Active, PartId=27713, Price=0.07, Resistance="10 kOhms", Series=RNCS, Size / Dimension="0.079\" L x 0.049\" W (2.00mm x 1.25mm)", Supplier 1=DigiKey
R20 R25 R26 R29 R37 R40 R94 R95: library part RNCS0805BKE1K00, "RES 1K OHM 0.1% 1/10W 0805", Device Package="0805 (2012 Metric)", Manufacturer="Stackpole Electronics Inc", Operating Temperature="-55°C ~ 155°C", Power (Watts)="0.1W, 1/10W", Ratings=AEC-Q200, Supplier Device Package=0805, Supplier Part Number 1=RNCS0805BKE1K00CT-ND, Temperature Coefficient=±25ppm/°C, Tolerance=±0.1%, ComponentLink1Description=Datasheet, ComponentLink1URL=https://www.seielect.com/catalog/sei-rncs_rnch.pdf, ComponentLink2Description="DigiKey Link", ComponentLink2URL=https://www.digikey.com/en/products/detail/stackpole-electronics-inc/RNCS0805BKE1K00/1800073, Composition="Thin Film", Features="Anti-Corrosive, Automotive AEC-Q200, Moisture Resistant", Height - Seated (Max)="0.026\" (0.65mm)", LastUpdated="02/02/2024 21:00:48", Lifecycle Status=Active, Minimum Order=1, Number of Terminations=2, Package / Case="0805 (2012 Metric)", Packaging=TapeAndReel, Part Number=RNCS0805BKE1K00, Part Status=Active, PartId=27715, Price=0.07, Resistance="1 kOhms", Series=RNCS, Size / Dimension="0.079\" L x 0.049\" W (2.00mm x 1.25mm)", Supplier 1=DigiKey
R21 R22 R23 R24: library part CRCW040249R9FKTD, "RES SMD 49.9 OHM 1% 1/16W 0402", Device Package="0402 (1005 Metric)", Manufacturer="Vishay Dale", Operating Temperature="-55°C ~ 155°C", Power (Watts)="0.063W, 1/16W", Ratings=AEC-Q200, Supplier Device Package=0402, Supplier Part Number 1=541-2963-1-ND, Temperature Coefficient=±100ppm/°C, Tolerance=±1%, ComponentLink1Description=Datasheet, ComponentLink1URL=http://www.vishay.com/docs/20008/dcrcw.pdf, ComponentLink2Description="DigiKey Link", ComponentLink2URL=https://www.digikey.com/en/products/detail/vishay-dale/CRCW040249R9FKTD/1221372, Composition="Thick Film", Features="Automotive AEC-Q200", Height - Seated (Max)="0.016\" (0.40mm)", LastUpdated="09/02/2024 20:30:10", Lifecycle Status=Active, Minimum Order=1, Number of Terminations=2, Package / Case="0402 (1005 Metric)", Packaging=TapeAndReel, Part Number=CRCW040249R9FKTD, Part Status=Active, PartId=5707, Price=0.01, Resistance="49.9 Ohms", Series=CRCW, Size / Dimension="0.039\" L x 0.020\" W (1.00mm x 0.50mm)", Supplier 1=DigiKey
R27 R28 R32: library part ACASA1001S1002P100, "RES ARRAY 4 RES MULT OHM 1206", Manufacturer="Vishay Beyschlag", Number of Resistors=4, Operating Temperature="-55°C ~ 125°C", Package / Case="1206 (3216 Metric), Convex, Long Side Terminals", Power Per Element=100mW, Resistance (Ohms)="1k, 10k", Resistor Matching Ratio=±0.05%, Resistor-Ratio-Drift=±15ppm/°C, Supplier Part Number 1=749-1017-1-ND, Temperature Coefficient=±25ppm/°C, Tolerance=±0.1%, Applications="Voltage Divider (TCR Matched)", Circuit Type=Isolated, ComponentLink1Description=Datasheet, ComponentLink1URL=http://www.vishay.com/docs/28751/acasprec.pdf, ComponentLink2Description="DigiKey Link", ComponentLink2URL=http://digikey.com/product-detail/en/vishay-beyschlag/ACASA1001S1002P100/749-1017-1-ND/4741023, Height - Seated (Max)="0.022\" (0.55mm)", LastUpdated="02/02/2024 21:35:30", Lifecycle Status=Active, Minimum Order=1, Mounting Type="Surface Mount", Number of Pins=8, Packaging=TapeAndReel, Part Number=ACASA1001S1002P100, Part Status=Active, PartId=354, Price=0.24, Series="ACA - Precision", Size / Dimension="0.126\" L x 0.059\" W (3.20mm x 1.50mm)", Supplier 1=DigiKey
R30: library part RN73C2A18K2BTDF, "RES SMD 18.2KOHM 0.1% 1/10W 0805", Device Package="0805 (2012 Metric)", Manufacturer="TE Connectivity Passive Product", Operating Temperature="-55°C ~ 155°C", Power (Watts)="0.1W, 1/10W", Supplier Device Package=0805, Supplier Part Number 1=A103339CT-ND, Temperature Coefficient=±10ppm/°C, Tolerance=±0.1%, ComponentLink1Description=Datasheet, ComponentLink1URL=https://www.te.com/commerce/DocumentDelivery/DDEController?Action=srchrtrv&DocNm=1773270&DocType=DS&DocLang=English, ComponentLink2Description="DigiKey Link", ComponentLink2URL=https://www.digikey.com/en/products/detail/te-connectivity-passive-product/RN73C2A18K2BTDF/2373970, Composition="Thin Film", Height - Seated (Max)="0.026\" (0.65mm)", LastUpdated="08/02/2024 21:02:38", Lifecycle Status=Active, Minimum Order=1, Number of Terminations=2, Package / Case="0805 (2012 Metric)", Packaging=TapeAndReel, Part Number=RN73C2A18K2BTDF, Part Status=Active, PartId=27941, Price=0.36, Resistance="18.2 kOhms", Series="RN73, Holsworthy", Size / Dimension="0.079\" L x 0.049\" W (2.00mm x 1.25mm)", Supplier 1=DigiKey